# KiCad board dizzy40.kicad_pcb (continued)
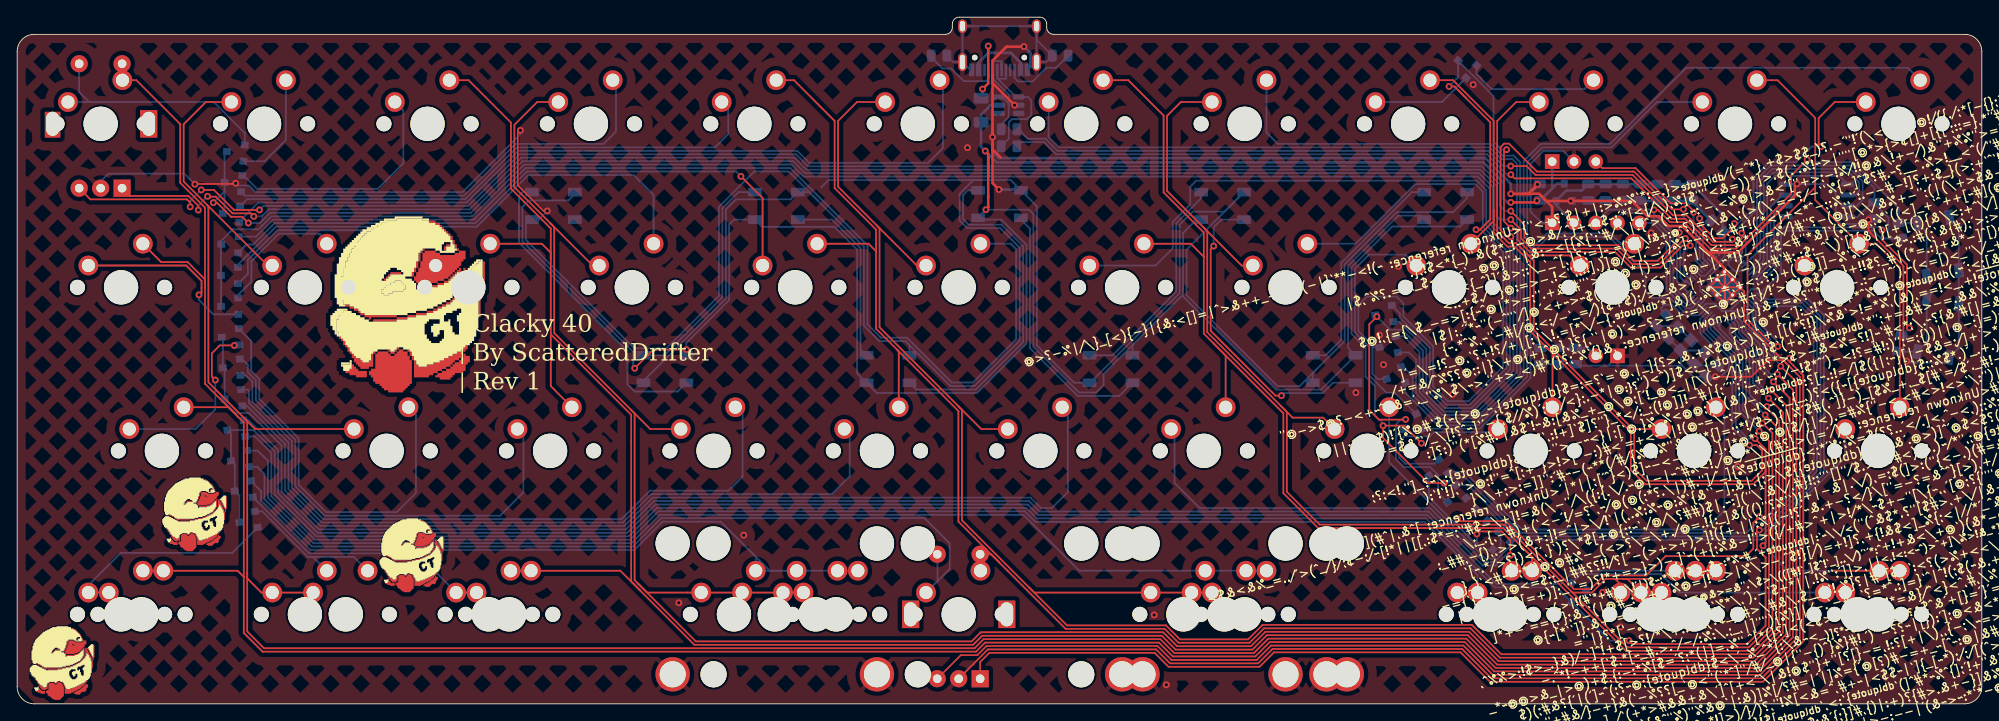
[diagram p0: board, top side]
## Routing (per net, layer and track width the routed paths; a pad name or vN(x,y) marks a point on that pad's centre or on a via; arc(x,y) is an arc through that point) (continued)
  Bottom w0.3: v1(177.21,60.52) 177.43,60.52 ; 170.05,63.58 171.11,63.58 ; 170.05,63.58 171.11,63.58 ; 170.05,63.58 114.42,63.58 113.69,64.32 v1(113.69,66.03) ; 171.11,63.58 174.1,60.59 v1(174.1,59.42) ; RGB5.3 116.91,59.92 v1(114.44,59.92) ; v1(117.35,76.57) 118.11,75.8 118.11,74.22 J0.A12 ; v1(181.09,58.6) 181.26,58.6 U4.1 195.17,58.61 C9.2 195.22,58.5 C10.2
  vias: v1(77.12,11.78) v1(84.69,19.65) v1(110.77,64.8) v1(132.53,10.36) v1(133.94,2.22) v1(156.04,36.26) v1(158.78,42.97) v1(159.26,39.52) v1(161,50.97) v1(167.32,36.05) v1(169.71,72.14) v1(184.78,12.98) v1(186.89,8.96) v1(190.44,54.88) v1(200.54,27.66)
VBUS: length 14.8
  Top w0.3: v1(112.53,71.63) 113.19,72.29 v1(113.19,76.64)
  Bottom w0.3: v1(112.53,71.63) 112.53,70.74 F0.1 ; J0.A9 116.95,74.71 115.84,75.82 115.84,75.84 113.19,75.84 ; 113.19,75.84 112.05,74.7 J0.A4 ; 113.19,75.84 v1(113.19,76.64)
/MCU/QSPI_SCLK: length 25.7
  Bottom w0.2: U2.6 214.26,59.28 214.7,59.72 214.7,60.73 213.51,61.92 204.72,61.92 203.58,60.77 203.58,51.67 U3.52
/MCU/QSPI_SD0: length 21.4
  Bottom w0.2: U3.53 203.98,51.51 203.98,60.61 204.89,61.52 212.38,61.52 U2.5
/MCU/QSPI_SD1: length 10.2
  Bottom w0.2: U3.55 204.78,51.17 204.78,57.13 205.66,58.01 206.15,58.01
/MCU/QSPI_SD2: length 13.1
  Bottom w0.2: 204.66,58.18 205.76,59.28 U2.3 ; 204.66,58.18 204.38,57.9 204.38,51.34 U3.54 ; 204.66,58.18 205.56,59.08 206.15,59.08
/MCU/QSPI_SD3: length 28.2
  Bottom w0.2: U3.51 203.18,51.84 203.18,60.94 204.56,62.32 213.68,62.32 215.1,60.89 215.1,58.73 214.38,58.01 213.35,58.01
/MCU/QSPI_SS: length 35.5
  Top w0.2: v1(220.56,43.81) 220.26,44.1 220.26,51.17 217.37,54.07 v1(217.37,55.19)
  Bottom w0.2: R1.1 219.63,42.87 v1(220.56,43.81) ; 205.18,54.76 205.94,55.52 217.04,55.52 v1(217.37,55.19) ; 205.18,54.76 205.18,55.77 U2.1 ; 205.18,54.76 205.18,51.01 U3.56
/MCU/RUN: length 70.8
  Top w0.2: v1(208.64,63.41) 206.76,61.53 206.76,59.42 200.38,53.04 197.33,53.04 194.25,56.12 192.67,56.12 191.23,57.56 v1(190.79,57.56)
  Bottom w0.2: J1.3 185.55,57.59 190.25,57.59 191.64,56.19 ; U3.26 194.82,46.87 194.77,46.87 193.05,48.59 193.05,54.79 191.64,56.19 ; 191.64,56.19 190.79,57.05 v1(190.79,57.56) ; SW2.2 222.57,54.95 SW2.2 219.36,56.04 R8.1 219.32,57.8 214.01,63.12 208.94,63.12 v1(208.64,63.41)
/MCU/SWCLK: length 14.9
  Bottom w0.2: U3.24 195.15,46.07 194.44,46.07 192.25,48.26 192.25,54.46 190.67,56.04 J1.5
/MCU/SWD: length 18.2
  Bottom w0.2: U3.25 194.99,46.47 194.6,46.47 192.65,48.43 192.65,54.62 190.08,57.19 187.1,57.19 186.54,56.63 J1.4
/MCU/USB_D+: length 16.3
  Bottom w0.2: U44.1 117.82,70.7 118.21,70.31 118.21,68.63 117.7,68.12 115.93,68.12 115.58,67.77 115.58,65.85 R3.1 ; U44.1 116.43,70.7 114.25,72.88 ; U44.1 116.31,70.7 ; 114.25,72.88 114.3,72.83 115.21,72.83 115.25,72.87 J0.B6 ; 114.25,72.88 J0.A6
/MCU/USB_D-: length 13.7
  Bottom w0.2: 115.56,69.68 115.56,68.35 114.7,67.48 R4.1 ; 115.56,69.68 115.56,71 113.75,72.81 J0.B7 113.75,74.83 113.8,74.88 114.7,74.88 ; 115.56,69.68 115.56,69.96 114.82,70.7 U44.6 ; 114.7,74.88 114.75,74.83 J0.A7 114.75,74.25 114.7,74.3 114.7,74.88
/MCU/XIN: length 10.2
  Bottom w0.2: Y0.3 195.65,39.45 C2.1 198.19,41.16 196.17,43.18 196.17,44.83 U3.20
/MCU/XOUT: length 7.5
  Bottom w0.2: 196.05,45.27 194.1,45.27 192.88,46.5 192,46.5 191.66,46.16 191.66,45.89 191.68,45.89 R5.1 ; 196.05,45.27 196.32,45.54 ; 196.05,45.27 196.32,45.54 ; 196.32,45.54 U3.21
/MCU/~{USB_BOOT}: length 8.9
  Bottom w0.2: R1.2 219.34,41.03 SW0.2 222.57,42.13 SW0.2
COL0: length 329.8
  Top w0.2: 26.41,14.79 26.41,32.78 25.74,33.45 ; 26.41,14.79 26.41,8.26 28.6,6.08 111.75,6.08 112.81,7.14 133.08,7.14 134.7,5.52 144.31,5.52 145.99,7.2 168.74,7.2 172.16,3.78 202.99,3.78 206.99,7.77 206.99,17.3 ; 26.41,14.79 25.69,15.51 K51.2 K34.2 ; v1(205.16,38.41) 206.99,36.58 206.99,17.3 ; K12.2 16.79,51.47 19.87,51.47 21.89,49.44 21.89,48.5 ; K1.2 13.9,72.66 19,67.55 19,60.7 21.89,57.81 21.89,48.5 ; 21.89,48.5 21.89,37.3 25.74,33.45 ; 25.74,33.45 24.64,34.56 K23.2 ; 206.99,17.3 206.99,17.83
  Bottom w0.2: U3.8 201.87,45.39 201.87,43.7 203.52,42.06 203.52,39.28 204.38,38.41 v1(205.16,38.41) ; ENC1.S2 12.23,72.7 K1.2
COL1: length 327.1
  Top w0.2: 26.54,33.22 27.74,32.02 K24.1 ; 26.54,33.22 26.81,32.94 26.81,15.22 ; 26.54,33.22 22.29,37.46 22.29,57.97 22.12,58.15 ; 22.12,58.15 19.4,60.86 19.4,67.53 21.99,70.12 K2.1 ; 22.12,58.15 29.2,51.07 K13.1 ; 26.81,15.22 26.81,8.43 28.77,6.48 111.59,6.48 112.65,7.54 133.25,7.54 134.87,5.92 144.15,5.92 145.83,7.6 168.91,7.6 172.33,4.18 202.83,4.18 206.59,7.94 206.59,17.47 ; 26.81,15.22 26.81,14.62 28.47,12.97 K35.1 K52.1 ; 206.59,17.47 206.59,35.64 v1(204.71,37.52) ; 206.59,17.47 206.59,17.66
  Bottom w0.2: U3.9 201.47,45.23 201.47,43.54 203.12,41.89 203.12,39.11 v1(204.71,37.52)
COL2: length 285.5
  Top w0.2: 57.55,67.41 57.55,67.72 52.62,72.66 K3.2 ; 57.55,67.41 57.55,60.03 62.19,55.39 62.19,51.86 ; 57.55,67.41 57.55,67.28 ; 62.19,43.05 71.56,33.68 71.56,14.25 72.68,13.13 ; 62.19,43.05 62.19,51.86 ; 62.19,43.05 62.19,37.02 K25.2 ; 72.68,13.13 70.31,15.51 K36.2 K53.2 ; 72.68,13.13 78.94,6.88 111.42,6.88 112.48,7.94 133.41,7.94 135.03,6.32 143.98,6.32 145.66,8 169.07,8 172.49,4.58 202.66,4.58 206.19,8.1 206.19,16.61 ; 62.19,51.86 62.19,52.56 61.15,53.61 K14.2 ; 206.19,16.61 206.19,17.5 ; 206.19,16.61 206.19,34.79 v1(204.41,36.57)
  Bottom w0.2: v1(204.41,36.57) 203.73,36.57 202.72,37.58 202.72,41.72 201.07,43.37 201.07,44.49 U3.11
COL3: length 280.3
  Top w0.2: 71.55,34.26 73.79,32.02 K26.1 ; 71.55,34.26 71.96,33.84 71.96,14.42 72.37,14.01 ; 71.55,34.26 62.59,43.21 62.59,55.55 62.12,56.03 ; 91.64,12.97 K37.1 73.41,12.97 72.37,14.01 ; 205.79,16.57 205.79,8.27 202.5,4.98 172.66,4.98 169.24,8.4 145.5,8.4 143.82,6.72 135.2,6.72 133.58,8.34 112.32,8.34 111.26,7.28 79.1,7.28 72.37,14.01 ; 205.79,16.57 205.79,17.33 ; 205.79,16.57 205.79,33.96 v1(204.14,35.61) ; 62.12,56.03 57.95,60.19 57.95,67.45 60.62,70.12 K4.1 ; 62.12,56.03 67.08,51.07 K15.1
  Bottom w0.2: U3.12 200.67,44.33 200.67,43.21 202.32,41.56 202.32,37.42 204.13,35.61 v1(204.14,35.61)
COL4: length 224.1
  Top w0.2: 115.45,15.49 114.5,16.44 ; 115.45,15.49 122.21,8.74 133.75,8.74 135.37,7.12 143.65,7.12 145.33,8.8 169.4,8.8 172.82,5.38 202.33,5.38 205.39,8.44 205.39,16.86 ; 115.45,15.49 115.44,15.51 ; 114.5,16.44 109.71,21.23 109.71,34.11 102.54,41.28 ; 114.5,16.44 113.52,17.43 ENC2.S2 112.24,15.55 K38.2 ; 100.11,52.72 99.22,53.61 K16.2 ; 100.11,52.72 100.11,43.71 102.54,41.28 ; 100.11,52.72 100.11,55.25 95.28,60.08 95.28,67.91 90.53,72.66 K5.2 ; 102.54,41.28 102.76,41.06 K27.2 ; 205.39,16.86 205.39,17.16 ; 205.39,16.86 205.39,32.99 203.94,34.44 v1(203.94,34.63)
  Bottom w0.2: v1(203.94,34.63) 203.33,34.63 201.92,36.04 201.92,41.39 200.27,43.04 200.27,44.16 U3.13
COL5: length 237.1
  Top w0.2: 109.75,34.64 100.51,43.87 100.51,55.42 100.2,55.73 ; 109.75,34.64 110.11,34.27 110.11,21.39 117.96,13.55 ; 109.75,34.64 112.37,32.02 K28.1 ; K57.1 K39.1 118.54,12.97 117.96,13.55 ; K17.1 104.86,51.07 100.2,55.73 ; 204.99,16.57 204.99,8.6 202.16,5.78 172.99,5.78 169.57,9.2 145.16,9.2 143.48,7.52 135.53,7.52 133.91,9.14 122.37,9.14 117.96,13.55 ; 204.99,16.57 204.99,17 ; 204.99,16.57 204.99,32.4 v1(203.75,33.65) ; 100.2,55.73 95.68,60.25 95.68,67.91 97.89,70.12 K6.1
  Bottom w0.2: v1(203.75,33.65) 201.52,35.87 201.52,41.23 199.61,43.13 U3.14
COL6: length 183.7
  Top w0.2: 139.45,41.99 138.31,43.13 138.31,52.09 ; 139.45,41.99 140.86,40.58 K29.2 ; 139.45,41.99 147.58,33.86 147.58,24.55 151.65,20.48 173.2,20.48 175.82,17.86 ; 138.31,52.09 136.79,53.61 K18.2 ; 138.31,52.09 138.31,54.91 133.62,59.6 133.62,68.55 129.51,72.66 K7.2 ; 204.59,16.5 204.59,16.83 ; 204.59,16.5 204.59,31.55 v1(203.44,32.7) ; 204.59,16.5 204.59,8.77 202,6.18 187.51,6.18 175.82,17.86 ; 175.82,17.86 176.58,17.11 K40.2 K56.2
  Bottom w0.2: v1(203.44,32.7) 202.69,32.7 201.12,34.26 201.12,41.06 198.43,43.75 U3.15
COL7: length 196.2
  Top w0.2: 186.25,14.56 187.18,14.56 ; 186.25,14.56 186.89,13.91 K50.1 ; 186.25,14.56 185.15,14.56 183.56,12.97 181.28,12.97 181.06,13.19 ; 187.18,14.56 190.07,14.56 K58.1 ; 187.18,14.56 187.69,14.56 K41.1 ; 181.06,13.19 185.83,8.42 ; 181.06,13.19 173.37,20.88 151.82,20.88 147.98,24.71 147.98,34.02 147.28,34.73 ; 147.28,34.73 148.67,33.34 152.23,33.34 K30.1 ; 147.28,34.73 138.71,43.29 138.71,55.07 138.38,55.41 ; K19.1 142.72,51.07 138.38,55.41 ; v1(203.05,31.78) 204.19,30.63 204.19,15.76 ; 204.19,15.76 204.19,8.93 201.83,6.58 187.67,6.58 185.83,8.42 ; 204.19,15.76 204.19,16.67 ; 185.83,8.42 186.17,8.08 ; 138.38,55.41 134.02,59.76 134.02,68.5 135.64,70.12 K8.1
  Bottom w0.2: K58.1 K50.1 ; v1(203.05,31.78) 203.04,31.78 200.72,34.1 200.72,40.9 197.77,43.85 197.77,44.16 U3.16
COL8: length 139.4
  Top w0.2: 172.1,57.48 172.1,67.92 167.36,72.66 K9.2 ; 172.1,57.48 172.1,54.86 173.69,53.27 174.55,53.27 176.36,51.46 176.36,43.42 178.17,41.61 ; 172.1,57.48 172.1,56.28 K20.2 ; 203.79,27.32 203.79,18.72 v1(203.49,18.42) ; 203.79,27.32 203.79,29.68 v1(202.57,30.9) ; 203.79,27.32 203.79,27.04 202.34,25.58 189.75,25.58 188.08,27.25 188.08,31.7 178.17,41.61 ; 211.57,15.51 K49.2 ; 178.17,41.61 178.96,40.82 K31.2
  Top w0.25: K49.2 K42.2
  Bottom w0.2: U3.17 197.37,44.33 197.37,43.68 200.32,40.73 200.32,32.3 201.72,30.9 v1(202.57,30.9) ; v1(203.49,18.42) 206.4,15.51 K49.2
COL9: length 101.4
  Top w0.2: 188.03,32.32 176.76,43.58 176.76,51.62 176,52.39 ; 188.03,32.32 188.33,32.02 K32.1 ; 188.03,32.32 188.48,31.86 188.48,27.41 189.91,25.98 202.17,25.98 203.39,27.2 203.39,29.51 202.76,30.14 v1(201.92,30.14) ; K10.1 174.72,70.12 172.5,67.9 172.5,55.03 173.86,53.67 174.72,53.67 176,52.39 ; 176,52.39 176.15,52.24 180.96,52.24 K21.1
  Bottom w0.2: 199.64,40.84 196.97,43.52 196.97,44.49 U3.18 ; 199.64,40.84 199.83,40.65 ; 199.64,40.84 199.92,40.56 199.92,32.14 201.92,30.14 v1(201.92,30.14)
COL10: length 78
  Top w0.2: K11.2 205.19,72.66 209.57,68.27 209.57,60.69 ; 209.57,60.69 209.57,58.71 K22.2 216.7,53.61 219.44,50.87 K33.2 ; 209.57,60.69 209.57,60.18 201.69,52.29 201.69,44.76 204.8,41.65 v1(205.22,41.65)
  Bottom w0.2: U3.5 203.07,45.89 203.07,44.34 205.02,42.39 205.02,41.63
COL11: length 38
  Top w0.2: K59.1 211.85,70.12 209.97,68.24 209.97,65.22 v1(210.27,64.93) ; v1(196.1,56.56) 196.1,55.96 197.83,54.24 198.8,54.24 200.16,55.59 v1(200.16,55.96)
  Bottom w0.2: 202.38,60.66 202.38,61.27 204.22,63.12 207.35,63.12 209.16,64.93 v1(210.27,64.93) ; 202.38,60.66 202.38,60.15 ; 202.38,60.66 202.38,57.76 200.58,55.96 v1(200.16,55.96) ; v1(196.1,56.56) 196.2,56.46 196.2,55.87 196.51,55.56 196.51,51.88 U3.37
ENC_ESC_L: length 205.1
  Top w0.2: v1(22.2,59.13) 22.41,58.92 22.58,59.09 23.16,59.09 25.1,57.14 27.23,57.14 v1(27.58,56.79) ; v1(194.45,54.22) 194.38,54.22 191.38,51.23 188.25,51.23 186.44,53.04 176.48,53.04 175.28,54.24 175.28,55.24 v1(174.1,56.42) ; v1(21.11,57.53) 21.11,58.02 19.96,59.18 12.91,59.18 12.23,59.86 ENC1.A
  Bottom w0.2: 29.81,57.61 52.73,57.61 58.75,63.63 90.6,63.63 92,62.23 168.96,62.23 ; 29.81,57.61 29.32,57.61 28.5,56.79 ; 29.81,57.61 30.11,57.61 ; v1(21.11,57.53) 21.11,58.05 v1(22.2,59.13) ; 28.5,56.79 v1(27.58,56.79) ; 28.5,56.79 28.62,56.9 ; 193.85,53.1 193.85,52.37 ; 193.85,52.37 193.85,53.61 v1(194.45,54.22) ; 193.85,52.37 193.85,49.69 194.42,49.12 U3.29 ; 168.96,62.23 169.36,62.23 ; 168.96,62.23 170.55,62.23 172.43,60.35 172.43,56.83 172.83,56.42 v1(174.1,56.42)
ENC_ESC_R: length 212
  Top w0.2: ENC1.B 8.53,58.78 19.79,58.78 20.17,58.4 v1(20.17,57.91) ; v1(174.1,57.42) 174.1,57.12 174.39,57.12 175.68,55.83 175.68,54.4 176.65,53.44 186.6,53.44 188.41,51.63 191.22,51.63 193.73,54.14 v1(193.73,54.92) ; v1(28.24,57.54) 25.27,57.54 22.94,59.87 v1(21.46,59.87)
  Bottom w0.2: 154.13,62.63 92.16,62.63 90.76,64.03 58.59,64.03 52.56,58.01 30.76,58.01 ; 154.13,62.63 170.71,62.63 172.83,60.51 172.83,58.04 173.44,57.42 v1(174.1,57.42) ; 154.13,62.63 155.03,62.63 ; v1(20.17,57.91) 20.17,58.58 v1(21.46,59.87) ; 29.28,58.01 30.76,58.01 ; 30.76,58.01 28.7,58.01 v1(28.24,57.54) ; v1(193.73,54.92) 193.45,54.63 193.45,49.24 U3.28
ENC_ROW_MID: length 101.7
  Bottom w0.2: 107.28,17.43 107.28,14.31 K38.1 108.7,15.73 108.7,18.69 105.76,21.63 75.07,21.63 71.77,18.33 34.36,18.33 28.82,23.86 28.82,26.78 27.98,27.62 D37.2
ENC_ROW_TOP: length 28.4
  Bottom w0.2: 8.4,70.12 7.23,71.29 ENC1.S1 ; 8.4,70.12 K1.1 ; 8.4,70.12 22.92,70.12 26.53,66.51 D17.1
ENC_SPC_L: length 146.8
  Top w0.2: 208.19,37.43 208.19,38.26 206.6,39.85 v1(206.6,40.27) ; 208.19,37.43 208.19,38.27 ; 208.19,37.43 208.19,25.66 ; 208.19,25.66 208.19,25.94 ; 208.19,25.66 208.19,7.28 203.49,2.58 171.66,2.58 168.24,6 146.49,6 144.81,4.32 134.21,4.32 132.59,5.94 113.31,5.94 112.24,4.87 ENC2.A
  Bottom w0.2: v1(206.6,40.27) 205.29,40.27 204.32,41.25 204.32,42.53 202.67,44.17 202.67,45.72 U3.6
ENC_SPC_R: length 148.3
  Top w0.2: ENC2.B 109.99,5.68 111.92,5.68 112.98,6.74 132.92,6.74 134.54,5.12 144.48,5.12 146.16,6.8 168.58,6.8 172,3.38 203.16,3.38 207.39,7.61 207.39,17.04 ; v1(205.56,39.33) 207.39,37.5 207.39,17.04 ; 207.39,17.04 207.39,17.99
  Bottom w0.2: v1(205.56,39.33) 205.56,39.44 203.92,41.08 203.92,42.22 202.27,43.87 202.27,45.56 U3.7
LED_GLOW: length 20.7
  Top w0.2: J2.3 184.76,62.42 188.63,62.42 192.73,58.32 194.51,58.32 195.39,57.44 v1(195.39,57.27)
  Bottom w0.2: v1(195.39,57.27) 195.39,56.11 196.11,55.39 196.11,51.72 U3.36
RGB: length 129.6
  Top w0.2: v1(166.32,25.73) 164.46,25.73 159.21,30.98 v1(159.21,32.41) 161.64,32.41 v1(163.68,30.37)
  Bottom w0.2: U3.3 203.36,46.74 208.03,46.74 209.79,44.97 209.79,27.11 203.79,21.11 202.76,21.11 201.57,19.92 198.84,19.92 ; 198.84,19.92 200.15,19.92 ; 198.84,19.92 175.23,19.92 168.78,26.37 167.36,26.37 166.71,25.73 v1(166.32,25.73) ; 169.31,56.42 RGB1.4 168.2,55.62 160.28,55.62 157.7,53.04 ; 157.7,53.04 157.07,52.41 ; 157.7,53.04 155.53,50.87 155.53,43.09 157.17,41.45 157.17,38.12 158.26,37.03 158.26,33.63 159.21,32.68 v1(159.21,32.41)
ROW0: length 303.3
  Top w0.2: v1(170.05,55.24) 170.5,55.24 171.7,56.44 171.7,67.75 168,71.45 ; v1(166.9,71.93) 167.52,71.93 168,71.45 ; v1(26.95,56.02) 26.22,56.74 24.94,56.74 23.29,58.39 v1(22.87,58.39) ; 168,71.45 168.82,70.63 ; v1(173.6,64.56) 173.3,64.26 173.3,56.22 v1(174.1,55.42) 174.46,55.42 174.88,55 174.88,54.07 176.32,52.64 186.27,52.64 188.08,50.83 191.55,50.83 194.11,53.39 v1(195.01,53.39)
  Bottom w0.2: U3.30 194.25,50.19 194.25,52.63 v1(195.01,53.39) ; v1(170.05,55.24) 170.61,55.24 173.2,52.66 173.2,39.28 169.17,35.26 166.77,35.26 165.05,36.98 165.05,41.66 161.57,45.13 161.57,46.65 160.78,47.45 157.35,47.45 156.33,46.43 156.33,43.43 157.97,41.79 ; v1(22.87,58.39) 24.17,59.7 24.17,59.85 ; 173.88,55.4 172.72,55.4 172.03,56.09 172.03,60.18 170.38,61.83 91.83,61.83 90.43,63.23 58.92,63.23 52.89,57.21 29.49,57.21 28.3,56.02 v1(26.95,56.02) ; D19.3 23.95,57.16 24.17,57.39 24.17,59.85 ; 157.97,41.79 157.97,38.45 158.58,37.84 D22.3 ; 157.97,41.79 158.22,41.53 D20.3 ; 24.17,59.85 D18.3 24.17,64.06 D17.3 ; 167.96,72.99 D21.3 172.08,70.82 172.08,65.51 173.02,64.56 v1(173.6,64.56) ; 167.96,72.99 167.79,72.82 ; 167.96,72.99 167.79,72.82 ; 167.79,72.82 v1(166.9,71.93)
ROW1: length 286.9
  Top w0.2: v1(158.49,45.11) 157.6,44.23 157.6,34.24 158.73,33.11 161.8,33.11 v1(161.84,33.14) ; v1(194.22,57.62) 192.87,57.62 188.47,62.02 177.14,62.02 173.89,65.26 173.31,65.26 172.9,64.85 172.9,55.19 173.67,54.42 v1(174.1,54.42)
  Bottom w0.2: D27.3 160.71,31.12 160.71,30.88 ; 28.5,55.65 28.14,55.29 25.13,55.29 23.8,53.96 D25.3 23.74,53.5 D24.3 23.77,49.88 D23.3 ; 28.5,55.65 28.68,55.83 ; 28.5,55.65 28.5,55.65 29.65,56.81 53.06,56.81 59.08,62.83 90.27,62.83 91.67,61.43 170.22,61.43 171.63,60.02 171.63,55.92 174.4,53.15 174.4,52.37 ; v1(161.84,33.14) 161.3,33.14 160.71,32.55 160.71,30.88 ; v1(194.22,57.62) 194.22,56.71 195.71,55.22 195.71,51.55 U3.35 ; D26.3 v1(158.49,45.11) 160.01,43.59 161.42,43.59 163.85,41.16 163.85,36.48 166.28,34.06 169.67,34.06 174.4,38.79 174.4,40.04 ; v1(174.1,54.42) 174.4,54.12 174.4,52.37 ; 174.4,52.37 174.4,40.04 ; 174.4,40.04 174.4,39.64 ; 160.71,30.88 160.71,28.48 161.61,27.58 164.71,27.58 165.62,26.66 165.62,24.57 166.68,23.5 D28.3
ROW2: length 277.6
  Top w0.2: v1(170.14,19.78) 170.44,20.08 173.04,20.08 174.04,19.08 v1(174.04,17.31) ; v1(167.88,21.58) 168.18,21.28 173.53,21.28 181.45,13.37 183.39,13.37 184.98,14.96 189.88,14.96 192.13,17.21 201.5,17.21 202.36,18.07 202.36,21.08 v1(203.09,21.81)
  Bottom w0.2: 31.58,23.93 30.82,24.69 30.82,30.11 27.04,33.89 25.41,33.89 24.18,35.12 D31.3 24.18,38.96 D30.3 23.98,42.58 D29.3 ; 31.58,23.93 32.22,23.29 ; 31.58,23.93 35.19,20.33 70.95,20.33 72.21,21.59 ; 137.68,22.41 159.14,22.41 ; 137.68,22.41 119.17,22.41 117.95,23.63 74.25,23.63 72.21,21.59 ; 137.68,22.41 138.7,22.41 ; D32.3 170.65,17.97 170.1,18.52 ; 170.1,18.52 169.87,18.75 ; 170.1,18.52 170.14,18.57 v1(170.14,19.78) ; 169.87,18.75 168.9,19.72 ; 169.87,18.75 169.2,19.42 D34.3 169.35,20.63 ; 72.21,21.59 72.71,22.09 ; v1(203.09,21.81) 203.92,21.81 209.39,27.28 209.39,44.81 207.86,46.34 203.19,46.34 U3.4 ; v1(167.88,21.58) 167.88,20.74 168.9,19.72 ; 168.9,19.72 164.55,24.08 D33.3 ; v1(174.04,17.31) 173.52,17.31 172.33,16.12 170.8,16.12 164.52,22.41 159.14,22.41 ; 159.14,22.41 159.81,22.41
ROW3: length 256.7
  Top w0.2: v1(187.87,7.37) 188.26,6.98 201.67,6.98 203.79,9.1 203.79,17.08 202.79,18.07 202.79,19.97 v1(203.06,20.24)
  Bottom w0.2: v1(203.06,20.24) 203.49,20.24 210.19,26.95 210.19,45.14 208.19,47.14 203.52,47.14 U3.2 ; v1(187.87,7.37) 185.65,7.37 180.33,12.69 ; 180.33,12.69 179.45,13.57 172.23,13.57 164.19,21.61 118.84,21.61 117.62,22.83 74.58,22.83 71.28,19.53 34.85,19.53 30.02,24.36 30.02,29.41 27.54,31.9 24.51,31.9 D38.3 24.92,31.47 D37.3 25.36,27.87 D36.3 25.41,24.79 25.91,24.29 D35.3 ; 180.33,12.69 D39.3
Net-(C3-Pad1): length 4.9
  Bottom w0.2: R5.2 193.64,44 C3.1 193.73,43.77 Y0.1
Net-(D17-A-Pad2): length 12.9
  Bottom w0.2: K2.2 31.32,65.71 28.83,63.22 D17.2
Net-(D18-A-Pad1): length 28.2
  Bottom w0.2: K3.1 45.01,69.13 45.01,62.98 42.04,60.01 27.97,60.01 26.42,61.55 D18.1
Net-(D18-A-Pad2): length 53.1
  Bottom w0.2: K4.2 69.8,72.28 69.8,66.68 68.36,65.23 58.09,65.23 52.06,59.21 26.55,59.21 D18.2
Net-(D19-A-Pad1): length 64.4
  Bottom w0.2: K5.1 82.88,69.36 82.88,66.38 81.34,64.83 58.26,64.83 52.23,58.81 26.81,58.81 D19.1
Net-(D19-A-Pad2): length 94.9
  Bottom w0.2: D19.2 25.9,56.19 28.11,58.41 52.39,58.41 58.42,64.43 90.93,64.43 92.33,63.03 106.19,63.03 107.9,64.75 107.9,72.28 K6.2
Net-(D20-A-Pad1): length 107
  Bottom w0.2: K7.1 120.22,66.05 121.43,64.83 171.62,64.83 172.99,63.47 174.27,63.47 174.8,62.94 174.8,38.62 169.83,33.66 166.11,33.66 163.45,36.32 163.45,41 161.63,42.82 D20.1
Net-(D20-A-Pad2): length 83.7
  Bottom w0.2: K8.2 145.62,66.56 146.94,65.23 171.79,65.23 173.16,63.87 174.44,63.87 175.2,63.1 175.2,38.45 170,33.26 165.94,33.26 163.05,36.15 163.05,40.12 162.22,40.95 D20.2
Net-(D21-A-Pad1): length 15.8
  Bottom w0.2: D21.1 170.1,73.36 171.84,71.63 182.69,71.63 K10.2
Net-(D21-A-Pad2): length 11.7
  Bottom w0.2: K9.1 166.07,70.12 D21.2
Net-(D22-A-Pad1): length 96.8
  Bottom w0.2: K59.2 220.37,74.11 194.54,74.11 185.66,65.23 177.59,65.23 175.6,63.24 175.6,38.29 170.17,32.86 165.78,32.86 162.65,35.99 162.65,38.19 161.56,39.27 D22.1
Net-(D22-A-Pad2): length 67.6
  Bottom w0.2: K11.1 191.11,70.12 185.83,64.83 177.75,64.83 176,63.08 176,38.12 170.33,32.46 165.61,32.46 161.8,36.27 D22.2
Net-(D23-A-Pad1): length 16.1
  Bottom w0.21: K13.2 36.08,53.92 35.23,54.77 30.5,54.77 27.57,51.84 ; 27.57,51.84 27.3,51.57 27.3,49.19 25.75,47.64 D23.1 ; 27.57,51.84 27.3,51.57
Net-(D23-A-Pad2): length 21.6
  Top w0.21: v1(21.2,47.65) 21.49,47.94 21.49,49.28 19.7,51.07 K12.1
  Bottom w0.2: D23.2 22.85,45.39 22.2,46.03
  Bottom w0.21: v1(21.2,47.65) 21.2,47.04 22.2,46.03
Net-(D24-A-Pad1): length 60.4
  Bottom w0.21: 26.9,52.34 27.4,52.84 27.4,52.84 30.16,55.59 53.57,55.59 59.59,61.61 71.86,61.61 74.18,59.28 K15.2 ; 26.9,52.34 26.42,51.86 ; 26.9,52.34 25.74,51.18 D24.1
Net-(D24-A-Pad2): length 29.6
  Bottom w0.21: K14.1 48.78,53.34 46.94,55.18 30.33,55.18 27.57,52.43 27.57,52.43 26.89,51.75 26.89,50.11 D24.2
Net-(D25-A-Pad1): length 127.1
  Bottom w0.2: 53.52,56.7 53.23,56.41 29.82,56.41 29.58,56.17 29.58,56.16 27.85,54.44 D25.1
  Bottom w0.21: 53.24,56.41 59.25,62.43 90.1,62.43 99.1,53.42 99.1,44.22 100.67,42.66 103.71,42.66 108.93,37.44 111.41,37.44 116.44,42.47 116.44,52.98 115.82,53.61 K17.2
Net-(D25-A-Pad2): length 75.1
  Top w0.21: K16.1 86.88,58.94 v1(84.36,61.46)
  Bottom w0.21: D25.2 26.75,53.52 27.51,53.52 29.99,56 30.91,56 ; v1(84.36,61.46) 83.8,62.02 59.42,62.02 53.4,56 30.91,56 ; 30.91,56 29.99,56
Net-(D26-A-Pad1): length 68.3
  Bottom w0.2: D26.1 161.17,45.46 161.17,44.97 164.65,41.49 164.65,36.81 166.61,34.86 169.34,34.86 173.6,39.12 173.6,52.82 170.83,55.59 170.83,59.69 169.97,60.55 162.94,60.55 156,53.61 K19.2
Net-(D26-A-Pad2): length 98.2
  Bottom w0.2: K18.1 132.7,51.07 134.7,53.06 134.7,56.15 136.73,58.19 136.73,60.25 137.43,60.95 170.14,60.95 171.23,59.85 171.23,55.76 174,52.99 174,38.95 169.5,34.46 166.44,34.46 164.25,36.65 164.25,41.33 161.06,44.52 D26.2
Net-(D27-A-Pad1): length 28.8
  Bottom w0.2: D27.1 160.58,36.25 159.6,36.25 157.57,38.29 157.57,41.62 155.93,43.26 155.93,50.7 157.56,52.34 161.81,52.34 K20.1
Net-(D27-A-Pad2): length 43.3
  Bottom w0.2: K21.2 186.9,53.61 185.7,54.81 178.31,54.81 176.4,52.89 176.4,37.96 170.5,32.06 163.88,32.06 D27.2
Net-(D28-A-Pad1): length 73.6
  Bottom w0.2: D28.1 169.1,25.48 175.07,19.52 203.32,19.52 210.59,26.78 210.59,45.3 208.45,47.44 208.45,50.94 K22.1
Net-(D29-A-Pad1): length 47.4
  Bottom w0.2: K24.2 45.61,34.51 46.48,33.64 46.48,24.58 44.23,22.33 36.01,22.33 32.82,25.52 32.82,30.94 28.22,35.54 28.22,37.87 27.28,38.81 27.28,42.27 D29.1
Net-(D29-A-Pad2): length 21.3
  Top w0.2: v1(25.31,41.76) 23.61,41.76 22.69,40.84 22.69,38.12 v1(23.1,37.72)
  Bottom w0.2: D29.2 25.38,41.82 v1(25.31,41.76) ; v1(23.1,37.72) 23.1,34.31 20.8,32.02 K23.1
Net-(D30-A-Pad1): length 54.5
  Bottom w0.2: D30.1 26.2,40.18 26.88,39.5 26.88,38.64 27.82,37.7 27.82,35.37 32.42,30.77 32.42,25.35 35.85,21.93 56.29,21.93 59.01,24.65 59.01,31.33 58.32,32.02 K25.1
Net-(D30-A-Pad2): length 80.7
  Bottom w0.2: D30.2 26.68,38.28 27.42,37.54 27.42,35.2 32.02,30.6 32.02,25.19 35.68,21.53 70.45,21.53 73.75,24.83 82.9,24.83 84.56,26.49 84.56,34.05 84.05,34.56 K26.2
Net-(D31-A-Pad1): length 89.4
  Bottom w0.2: D31.1 26.89,36.61 27.02,36.48 27.02,35.04 31.62,30.44 31.62,25.02 35.52,21.13 70.61,21.13 73.91,24.43 94.95,24.43 97.04,26.52 97.04,31.2 96.41,31.83 K27.1
Net-(D31-A-Pad2): length 118.1
  Bottom w0.2: K28.2 121.93,34.56 122.5,33.99 122.46,33.95 122.46,24.68 120.59,22.81 119.33,22.81 118.11,24.03 74.08,24.03 70.78,20.73 35.35,20.73 31.22,24.86 31.22,30.27 26.78,34.71 D31.2
Net-(D32-A-Pad1): length 26.9
  Bottom w0.2: K30.2 159.91,28.15 171.14,16.92 172,16.92 172.9,17.82 172.9,19.77 D32.1
Net-(D32-A-Pad2): length 50.7
  Bottom w0.2: K29.1 134.51,31.73 134.9,31.34 134.9,25.75 137.84,22.81 164.69,22.81 170.97,16.52 172.17,16.52 174.02,18.37 D32.2
Net-(D33-A-Pad1): length 19.1
  Bottom w0.2: K31.1 172.24,31.65 165.15,31.65 164.66,31.16 161.71,31.16 161.11,30.55 161.11,28.65 161.78,27.98 165.22,27.98 D33.1
Net-(D33-A-Pad2): length 48.5
  Bottom w0.2: K32.2 198.99,33.57 198.99,22.51 196.8,20.32 175.4,20.32 168.69,27.03 166.9,27.03 D33.2
Net-(D34-A-Pad1): length 51.8
  Bottom w0.2: D34.1 171.33,22.68 174.9,19.12 203.49,19.12 213.09,28.71 K33.1
Net-(D35-A-Pad1): length 19.3
  Bottom w0.2: K52.2 39.22,17.13 34.88,17.13 ; 34.88,17.13 34.17,17.13 34.46,17.13 K35.2 ; 34.88,17.13 33.86,17.13 28.56,22.43 D35.1
Net-(D35-A-Pad2): length 25.8
  Top w0.21: K51.1 K34.1
  Bottom w0.2: K34.1 8.3,13.82 12.07,17.59 25.07,17.59 D35.2
Net-(D36-A-Pad1): length 85.6
  Bottom w0.2: D36.1 28.42,24.79 28.42,23.7 34.19,17.93 71.94,17.93 75.24,21.23 81.99,21.23 85.54,17.68 ; 85.54,17.68 87.71,15.51 K46.2 ; 85.54,17.68 86.09,17.13 K37.2 K45.2
Net-(D36-A-Pad2): length 30.7
  Top w0.21: K36.1 K53.1
  Bottom w0.2: K53.1 46.6,17.53 34.03,17.53 D36.2
Net-(D37-A-Pad1): length 129.9
  Bottom w0.2: D37.1 28.02,29.5 29.22,28.31 29.22,24.03 34.52,18.73 71.61,18.73 74.91,22.03 117.28,22.03 123.8,15.51 K39.2 K57.2
Net-(D38-A-Pad1): length 186.8
  Top w0.2: 193.24,15.51 K58.2
  Bottom w0.2: 71.35,20.16 74.41,23.23 117.78,23.23 119,22.01 164.36,22.01 172.4,13.97 179.92,13.97 181.46,15.51 193.24,15.51 ; 71.35,20.16 71.66,20.47 ; 71.35,20.16 71.11,19.93 35.02,19.93 32.62,22.32 ; 32.62,22.32 32.98,21.96 ; 32.62,22.32 30.42,24.53 30.42,29.58 26.98,33.02 26.87,33.02 26.84,33.04 D38.1
Net-(D38-A-Pad2): length 161.7
  Bottom w0.2: 133.65,21.21 164.02,21.21 170.23,15 K40.1 K56.1 ; 133.65,21.21 118.67,21.21 117.45,22.43 74.74,22.43 71.44,19.13 34.69,19.13 29.62,24.19 29.62,29.25 27.72,31.15 D38.2 ; 133.65,21.21 132.35,21.21
Net-(D39-A-Pad1): length 33.2
  Bottom w0.2: K42.1 K49.1 193.73,12.97 191.59,15.11 182.23,15.11 D39.1
Net-(J0-CC1): length 9.2
  Bottom w0.2: R7.1 106.54,75.34 107.85,74.03 108.86,74.03 110.34,72.55 112.92,72.55 113.25,72.88 J0.A5
Net-(J0-CC2): length 8.6
  Bottom w0.2: J0.B5 116.25,72.93 116.67,72.51 118.35,72.51 119.95,74.11 121.08,74.11 R6.1
Net-(RGB1-DOUT): length 26.1
  Bottom w0.2: RGB2.4 152.51,40.61 154.33,42.43 154.33,51.37 162.58,59.62 RGB1.2
Net-(RGB2-DOUT): length 36.7
  Top w0.2: v1(147.36,35.91) 146.67,35.91 139.11,43.46 139.11,52.98 v1(139.46,53.33)
  Bottom w0.2: v1(147.36,35.91) 147.66,36.21 152.17,36.21 153.37,37.41 RGB2.2 ; v1(139.46,53.33) 139.46,55.51 140.37,56.42 RGB3.4
Net-(RGB3-DOUT): length 26
  Bottom w0.2: RGB3.2 138,58.89 135.1,55.99 135.1,48.02 129.2,42.13 129.19,42.13 127.67,40.61 RGB4.4
Net-(RGB4-DOUT): length 30.3
  Bottom w0.2: RGB4.2 128.47,35.87 123.61,35.87 118.05,41.44 118.05,55.37 117,56.42
Net-(RGB5-DOUT): length 40.2
  Bottom w0.2: 112,59.62 111.79,59.83 110.82,59.83 110.25,59.26 110.25,56.48 110.9,55.83 114.73,55.83 117.25,53.31 117.25,42.14 111.72,36.62 104.79,36.62 RGB6.4
Net-(RGB6-DOUT): length 21.5
  Bottom w0.2: RGB7.4 94.97,56.42 98.3,53.09 98.3,41.31 RGB6.2
Net-(RGB7-DOUT): length 26.9
  Bottom w0.2: RGB8.4 75.43,40.61 82.2,47.38 82.2,57.74 84.08,59.62 RGB7.2
Net-(RGB8-DOUT): length 36.5
  Bottom w0.21: RGB9.4 58.92,59.62 58.49,59.19 58.49,53.72 71.13,41.09 71.13,37.24 71.98,36.39 76.98,36.39 RGB8.2
Net-(U3-USB_DM): length 92.7
  Top w0.2: 199.92,53.93 199.83,53.84 197.66,53.84 194.58,56.92 193,56.92 188.3,61.62 176.98,61.62 175.94,62.65 v1(174.1,62.65)
  Bottom w0.2: 170.66,64.43 121.27,64.43 119.85,65.85 117.8,65.85 116.71,66.94 R4.2 ; 170.66,64.43 171.29,64.43 ; 170.66,64.43 171.46,64.43 173.24,62.65 v1(174.1,62.65) ; v1(199.92,54.13) 200.48,54.13 201.08,53.54 201.08,52.57 U3.46
Net-(U3-USB_DP): length 94.3
  Top w0.2: v1(201.01,54.83) 201.01,54.23 200.21,53.44 197.5,53.44 194.42,56.52 192.84,56.52 188.14,61.22 174.53,61.22 v1(174.1,61.65)
  Bottom w0.2: R3.2 117,65.45 119.69,65.45 121.1,64.03 171.29,64.03 173.67,61.65 v1(174.1,61.65) ; U3.47 201.48,52.4 201.48,54.36 v1(201.01,54.83)

## Copper pours and planes (outline as drawn; the poured copper is in the pictures)
GND on Top, Bottom: 233.76,83.88 -8.08,83.88 -8.08,10.2 21.99,-19.87 233.12,-19.87 233.76,-19.23

## Text on the board
